# KiCad board keyboard.kicad_pcb
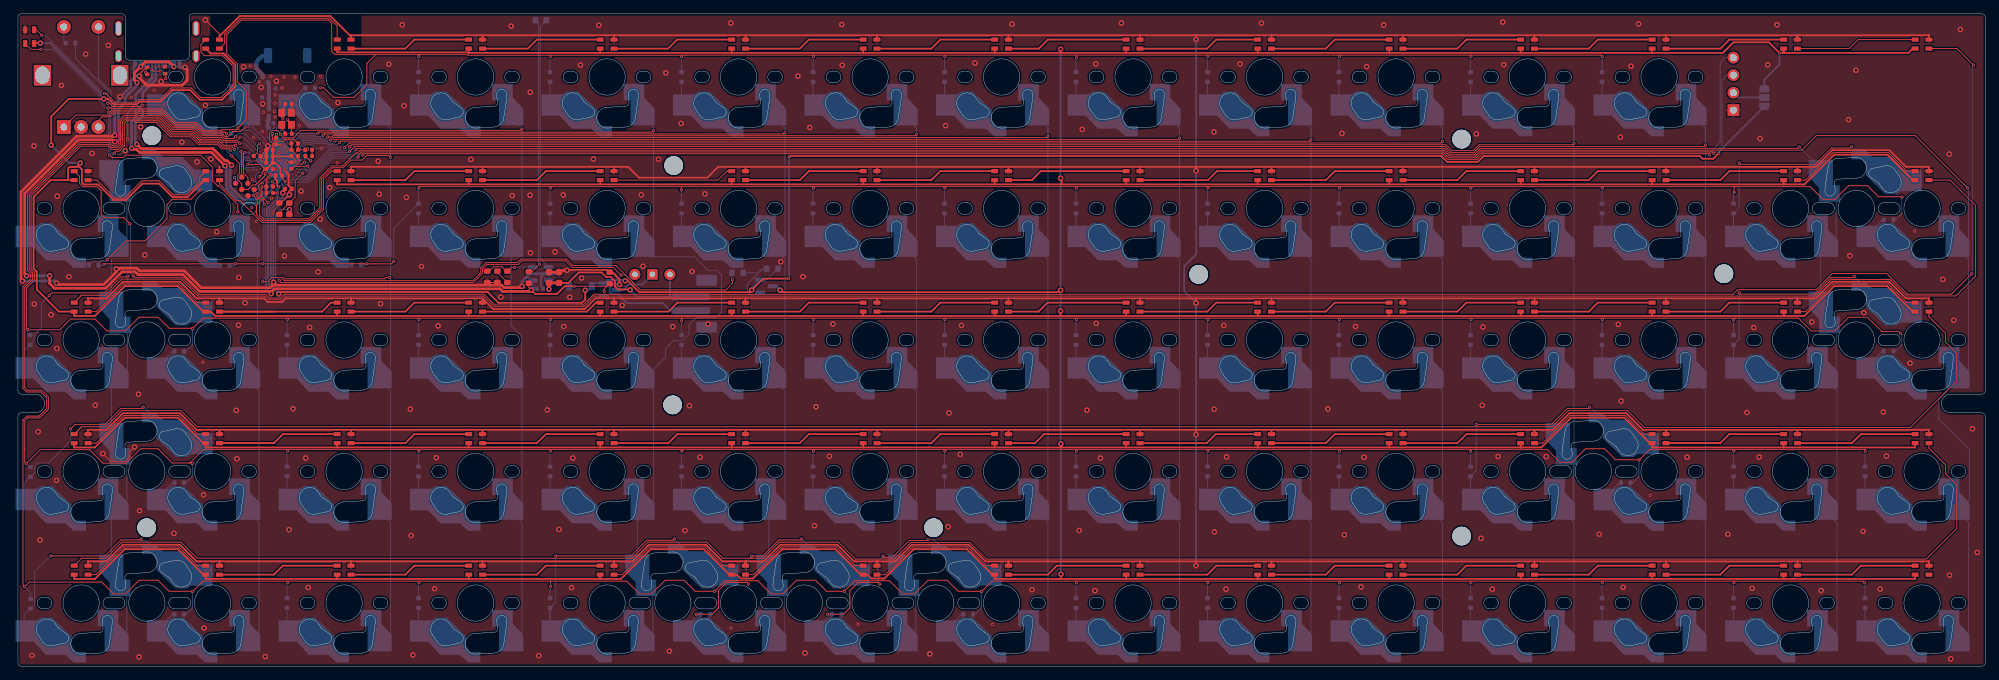
[diagram p0: board, top side]
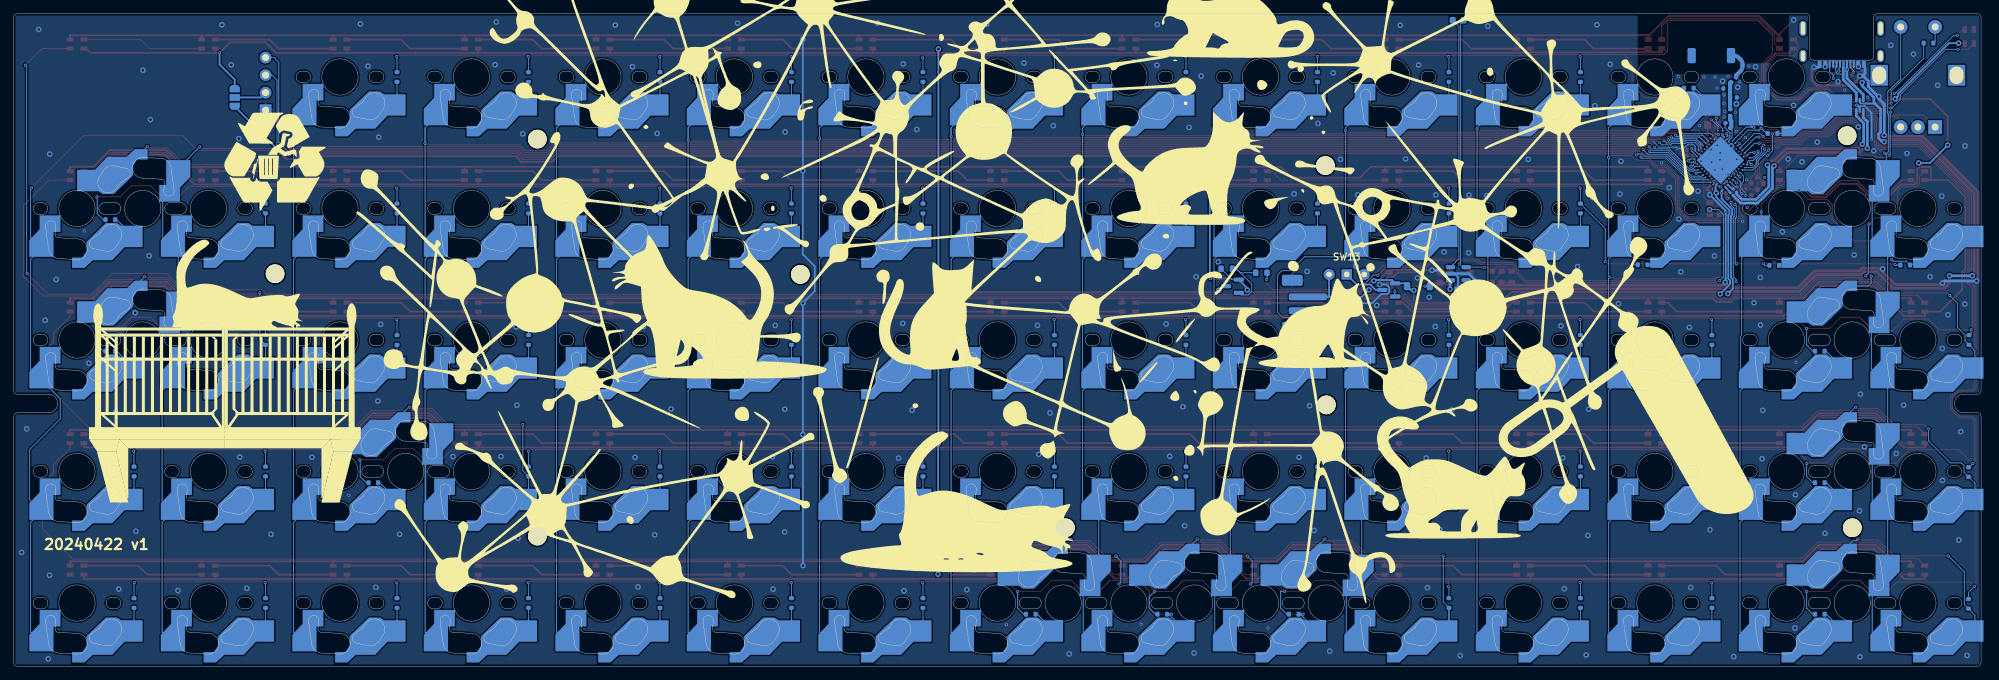
[diagram p1: board, bottom side, seen from below]

Outline 285 x 94.5 mm; copper layers: Top, Bottom. Coordinates in mm from the lower left corner of the outline.
Stack: Top 0.035mm / dielectric 1.11mm FR4 er 4.5 / Bottom 0.035mm

## Placement (name value [footprint] x y rotation side)
AE0  Antenna  [Johanson_2450AT43F0100]  39.07 88.45 0 bottom
C0  100nF  [C_0603_1608Metric]  78.39 56.3 90 top
C1  10uF  [C_0603_1608Metric]  76.93 56.3 90 top
C4  1pF  [C_0402_1005Metric]  36.68 78.33 45 bottom
C5  DNP  [C_0402_1005Metric]  36.85 83.67 0 bottom
C6  DNP  [C_0402_1005Metric]  35.86 82.38 180 bottom
C7  12pF  [C_0402_1005Metric]  39.19 77.13 180 top
C8  12pF  [C_0402_1005Metric]  39.19 81.45 0 top
C11  4.7uF  [C_0402_1005Metric]  36.45 74.77 180 top
C12  100nF  [C_0402_1005Metric]  36.45 72.93 180 top
C13  100nF  [C_0402_1005Metric]  36.44 72.01 0 top
C14  100nF  [C_0402_1005Metric]  40.1 73.89 0 top
C15  1uF  [C_0402_1005Metric]  36.45 73.85 180 top
C16  47nF  [C_0402_1005Metric]  40.1 74.81 180 top
C17  1uF  [C_0402_1005Metric]  40.1 75.73 180 top
C18  4.7uF  [C_0402_1005Metric]  36.47 69.48 0 top
C19  820pF  [C_0402_1005Metric]  34.63 73.89 180 top
C20  100pF  [C_0402_1005Metric]  37.38 76.04 90 top
C21  100nF  [C_0402_1005Metric]  39.63 72.52 270 top
C22  4.7uF  [C_0402_1005Metric]  36.47 68.56 0 top
C23  4.7uF  [C_0402_1005Metric]  39.19 69.14 180 top
C24  1uF  [C_0402_1005Metric]  75.6 54.69 0 bottom
D0  1N4148WT  [D_SOD-523]  7.62 90.26 180 bottom
D1  1N4148WT  [D_SOD-523]  30.2 77.17 180 bottom
D2  1N4148WT  [D_SOD-523]  42.34 83.74 180 bottom
D3  1N4148WT  [D_SOD-523]  58.04 85.35 270 bottom
D4  1N4148WT  [D_SOD-523]  77.09 85.35 270 bottom
D5  1N4148WT  [D_SOD-523]  96.14 85.35 270 bottom
D6  1N4148WT  [D_SOD-523]  115.19 85.35 270 bottom
D7  1N4148WT  [D_SOD-523]  134.24 85.35 270 bottom
D8  1N4148WT  [D_SOD-523]  153.29 85.35 270 bottom
D9  1N4148WT  [D_SOD-523]  172.34 85.35 270 bottom
D10  1N4148WT  [D_SOD-523]  191.39 85.35 270 bottom
D11  1N4148WT  [D_SOD-523]  210.44 85.35 270 bottom
D12  1N4148WT  [D_SOD-523]  229.49 85.35 270 bottom
D15  1N4148WT  [D_SOD-523]  10.99 58.11 180 bottom
D16  1N4148WT  [D_SOD-523]  29.96 58.05 180 bottom
D17  1N4148WT  [D_SOD-523]  49.03 58.15 180 bottom
D18  1N4148WT  [D_SOD-523]  58.04 66.3 270 bottom
D19  1N4148WT  [D_SOD-523]  77.09 66.3 270 bottom
D20  1N4148WT  [D_SOD-523]  96.14 66.3 270 bottom
D21  1N4148WT  [D_SOD-523]  115.19 66.3 270 bottom
D22  1N4148WT  [D_SOD-523]  134.24 66.3 270 bottom
D23  1N4148WT  [D_SOD-523]  153.29 66.3 270 bottom
D24  1N4148WT  [D_SOD-523]  172.34 66.3 270 bottom
D25  1N4148WT  [D_SOD-523]  191.39 66.3 270 bottom
D26  1N4148WT  [D_SOD-523]  210.44 66.3 270 bottom
D27  1N4148WT  [D_SOD-523]  229.49 66.3 270 bottom
D28  1N4148WT  [D_SOD-523]  248.54 66.3 270 bottom
D29  1N4148WT  [D_SOD-523]  271.02 64.68 180 bottom
D30  1N4148WT  [D_SOD-523]  1.75 47.25 270 bottom
D31  1N4148WT  [D_SOD-523]  23.37 45.63 180 bottom
D32  1N4148WT  [D_SOD-523]  38.99 47.25 270 bottom
D33  1N4148WT  [D_SOD-523]  58.04 47.25 270 bottom
D34  1N4148WT  [D_SOD-523]  77.09 47.25 270 bottom
D35  1N4148WT  [D_SOD-523]  96.14 47.25 270 bottom
D36  1N4148WT  [D_SOD-523]  115.19 47.25 270 bottom
D37  1N4148WT  [D_SOD-523]  134.24 47.25 270 bottom
D38  1N4148WT  [D_SOD-523]  153.29 47.25 270 bottom
D39  1N4148WT  [D_SOD-523]  172.34 47.25 270 bottom
D40  1N4148WT  [D_SOD-523]  191.39 47.25 270 bottom
D41  1N4148WT  [D_SOD-523]  210.44 47.25 270 bottom
D42  1N4148WT  [D_SOD-523]  229.49 47.25 270 bottom
D43  1N4148WT  [D_SOD-523]  248.54 47.25 270 bottom
D44  1N4148WT  [D_SOD-523]  271.02 45.63 180 bottom
D45  1N4148WT  [D_SOD-523]  1.81 28.12 270 bottom
D46  1N4148WT  [D_SOD-523]  23.37 26.58 180 bottom
D47  1N4148WT  [D_SOD-523]  38.99 28.2 270 bottom
D48  1N4148WT  [D_SOD-523]  58.04 28.2 270 bottom
D49  1N4148WT  [D_SOD-523]  77.09 28.2 270 bottom
D50  1N4148WT  [D_SOD-523]  96.14 28.2 270 bottom
D51  1N4148WT  [D_SOD-523]  115.19 28.2 270 bottom
D52  1N4148WT  [D_SOD-523]  134.24 28.2 270 bottom
D53  1N4148WT  [D_SOD-523]  153.29 28.2 270 bottom
D54  1N4148WT  [D_SOD-523]  172.34 28.2 270 bottom
D55  1N4148WT  [D_SOD-523]  191.39 28.2 270 bottom
D56  1N4148WT  [D_SOD-523]  210.44 28.2 270 bottom
D57  1N4148WT  [D_SOD-523]  232.92 26.58 180 bottom
D58  1N4148WT  [D_SOD-523]  248.54 28.2 270 bottom
D59  1N4148WT  [D_SOD-523]  267.59 28.2 270 bottom
D60  1N4148WT  [D_SOD-523]  1.82 9.03 270 bottom
D61  1N4148WT  [D_SOD-523]  23.37 7.53 180 bottom
D62  1N4148WT  [D_SOD-523]  38.99 9.15 270 bottom
D63  1N4148WT  [D_SOD-523]  58.04 9.15 270 bottom
D64  1N4148WT  [D_SOD-523]  77.09 9.15 270 bottom
D65  1N4148WT  [D_SOD-523]  99.57 7.53 180 bottom
D66  1N4148WT  [D_SOD-523]  118.62 7.53 180 bottom
D67  1N4148WT  [D_SOD-523]  137.67 7.53 180 bottom
D68  1N4148WT  [D_SOD-523]  153.29 9.15 270 bottom
D69  1N4148WT  [D_SOD-523]  172.34 9.15 270 bottom
D70  1N4148WT  [D_SOD-523]  191.39 9.15 270 bottom
D71  1N4148WT  [D_SOD-523]  210.44 9.15 270 bottom
D72  1N4148WT  [D_SOD-523]  229.49 9.15 270 bottom
D73  1N4148WT  [D_SOD-523]  248.54 9.15 270 bottom
D74  1N4148WT  [D_SOD-523]  267.59 9.15 270 bottom
D75  CHRG  [LED_0603_1608Metric]  75.76 93.57 180 bottom
D76  BAT46  [D_SOD-123]  81.5 55.05 180 bottom
H0  MountingHole  [MountingHole_2.7mm_M2.5_ISO7380]  19.4 76.85 0 top
H1  MountingHole  [MountingHole_2.7mm_M2.5_ISO7380]  132.65 20.05 0 top
H2  MountingHole  [MountingHole_2.7mm_M2.5_ISO7380]  209.15 76.35 0 top
H3  MountingHole  [MountingHole_2.7mm_M2.5_ISO7380]  18.65 20.05 0 top
H4  MountingHole  [MountingHole_2.7mm_M2.5_ISO7380]  171.05 56.75 0 top
H5  MountingHole  [MountingHole_2.7mm_M2.5_ISO7380]  94.99 72.52 0 top
H7  MountingHole  [MountingHole_2.7mm_M2.5_ISO7380]  247.15 56.85 0 top
H8  MountingHole  [MountingHole_2.7mm_M2.5_ISO7380]  94.85 37.85 0 top
H9  MountingHole  [MountingHole_2.7mm_M2.5_ISO7380]  209.15 18.85 0 top
J0  USB_C_Receptacle_USB2.0_16P  [Molex_USBC_2169900001]  20.18 92.39 0 bottom
J1  Conn_ARM_SWD_TagConnect_TC2030-NL  [Tag-Connect_TC2030-IDC-NL_2x03_P1.27mm_Vertical_NoHoles]  32.87 69.5 315 top
J2  Conn_01x02  [JST_PH_B2B-PH-SM4-TB_1x02-1MP_P2.00mm_Vertical]  98.03 52.5 90 bottom
J3  Conn_01x04  [SSD1306-0.91-OLED-4pin-128x32]  266.32 85.35 180 top
JP0  SolderJumper_3_Open  [SolderJumper-3_P1.3mm_Open_RoundedPad1.0x1.5mm_NumberLabels]  253 82.38 270 bottom
L0  10uH  [C_0402_1005Metric]  42.13 73.89 0 top
L1  2.2nH  [C_0402_1005Metric]  36.34 80.2 90 bottom
L2  10uH  [C_0402_1005Metric]  37.79 71.09 180 top
L3  15nH  [C_0402_1005Metric]  42.13 74.81 180 top
LED0  SK6805  [LED_SK6805_PLCC4_2.4x2.7mm_P1.3mm]  1.7 91.19 270 top
LED1  SK6805  [LED_SK6805_PLCC4_2.4x2.7mm_P1.3mm]  28.2 90.11 180 top
LED2  SK6805  [LED_SK6805_PLCC4_2.4x2.7mm_P1.3mm]  47.25 90.11 180 top
LED3  SK6805  [LED_SK6805_PLCC4_2.4x2.7mm_P1.3mm]  66.3 90.11 180 top
LED4  SK6805  [LED_SK6805_PLCC4_2.4x2.7mm_P1.3mm]  85.35 90.11 180 top
LED5  SK6805  [LED_SK6805_PLCC4_2.4x2.7mm_P1.3mm]  104.4 90.11 180 top
LED6  SK6805  [LED_SK6805_PLCC4_2.4x2.7mm_P1.3mm]  123.45 90.11 180 top
LED7  SK6805  [LED_SK6805_PLCC4_2.4x2.7mm_P1.3mm]  142.5 90.11 180 top
LED8  SK6805  [LED_SK6805_PLCC4_2.4x2.7mm_P1.3mm]  161.55 90.11 180 top
LED9  SK6805  [LED_SK6805_PLCC4_2.4x2.7mm_P1.3mm]  180.6 90.11 180 top
LED10  SK6805  [LED_SK6805_PLCC4_2.4x2.7mm_P1.3mm]  199.65 90.11 180 top
LED11  SK6805  [LED_SK6805_PLCC4_2.4x2.7mm_P1.3mm]  218.7 90.11 180 top
LED12  SK6805  [LED_SK6805_PLCC4_2.4x2.7mm_P1.3mm]  237.75 90.11 180 top
LED13  SK6805  [LED_SK6805_PLCC4_2.4x2.7mm_P1.3mm]  256.8 90.11 180 top
LED14  SK6805  [LED_SK6805_PLCC4_2.4x2.7mm_P1.3mm]  275.85 90.11 180 top
LED15  SK6805  [LED_SK6805_PLCC4_2.4x2.7mm_P1.3mm]  9.15 71.06 180 top
LED16  SK6805  [LED_SK6805_PLCC4_2.4x2.7mm_P1.3mm]  28.2 71.06 180 top
LED17  SK6805  [LED_SK6805_PLCC4_2.4x2.7mm_P1.3mm]  47.25 71.06 180 top
LED18  SK6805  [LED_SK6805_PLCC4_2.4x2.7mm_P1.3mm]  66.3 71.06 180 top
LED19  SK6805  [LED_SK6805_PLCC4_2.4x2.7mm_P1.3mm]  85.35 71.06 180 top
LED20  SK6805  [LED_SK6805_PLCC4_2.4x2.7mm_P1.3mm]  104.4 71.06 180 top
LED21  SK6805  [LED_SK6805_PLCC4_2.4x2.7mm_P1.3mm]  123.45 71.06 180 top
LED22  SK6805  [LED_SK6805_PLCC4_2.4x2.7mm_P1.3mm]  142.5 71.06 180 top
LED23  SK6805  [LED_SK6805_PLCC4_2.4x2.7mm_P1.3mm]  161.55 71.06 180 top
LED24  SK6805  [LED_SK6805_PLCC4_2.4x2.7mm_P1.3mm]  180.6 71.06 180 top
LED25  SK6805  [LED_SK6805_PLCC4_2.4x2.7mm_P1.3mm]  199.65 71.06 180 top
LED26  SK6805  [LED_SK6805_PLCC4_2.4x2.7mm_P1.3mm]  218.7 71.06 180 top
LED27  SK6805  [LED_SK6805_PLCC4_2.4x2.7mm_P1.3mm]  237.75 71.06 180 top
LED28  SK6805  [LED_SK6805_PLCC4_2.4x2.7mm_P1.3mm]  256.8 71.06 180 top
LED29  SK6805  [LED_SK6805_PLCC4_2.4x2.7mm_P1.3mm]  275.85 71.06 180 top
LED30  SK6805  [LED_SK6805_PLCC4_2.4x2.7mm_P1.3mm]  9.15 52.01 180 top
LED31  SK6805  [LED_SK6805_PLCC4_2.4x2.7mm_P1.3mm]  28.2 52.01 180 top
LED32  SK6805  [LED_SK6805_PLCC4_2.4x2.7mm_P1.3mm]  47.25 52.01 180 top
LED33  SK6805  [LED_SK6805_PLCC4_2.4x2.7mm_P1.3mm]  66.3 52.01 180 top
LED34  SK6805  [LED_SK6805_PLCC4_2.4x2.7mm_P1.3mm]  85.35 52.01 180 top
LED35  SK6805  [LED_SK6805_PLCC4_2.4x2.7mm_P1.3mm]  104.4 52.01 180 top
LED36  SK6805  [LED_SK6805_PLCC4_2.4x2.7mm_P1.3mm]  123.45 52.01 180 top
LED37  SK6805  [LED_SK6805_PLCC4_2.4x2.7mm_P1.3mm]  142.5 52.01 180 top
LED38  SK6805  [LED_SK6805_PLCC4_2.4x2.7mm_P1.3mm]  161.55 52.01 180 top
LED39  SK6805  [LED_SK6805_PLCC4_2.4x2.7mm_P1.3mm]  180.6 52.01 180 top
LED40  SK6805  [LED_SK6805_PLCC4_2.4x2.7mm_P1.3mm]  199.65 52.01 180 top
LED41  SK6805  [LED_SK6805_PLCC4_2.4x2.7mm_P1.3mm]  218.7 52.01 180 top
LED42  SK6805  [LED_SK6805_PLCC4_2.4x2.7mm_P1.3mm]  237.75 52.01 180 top
LED43  SK6805  [LED_SK6805_PLCC4_2.4x2.7mm_P1.3mm]  256.8 52.01 180 top
LED44  SK6805  [LED_SK6805_PLCC4_2.4x2.7mm_P1.3mm]  275.85 52.01 180 top
LED45  SK6805  [LED_SK6805_PLCC4_2.4x2.7mm_P1.3mm]  9.15 32.96 180 top
LED46  SK6805  [LED_SK6805_PLCC4_2.4x2.7mm_P1.3mm]  28.2 32.96 180 top
LED47  SK6805  [LED_SK6805_PLCC4_2.4x2.7mm_P1.3mm]  47.25 32.96 180 top
LED48  SK6805  [LED_SK6805_PLCC4_2.4x2.7mm_P1.3mm]  66.3 32.96 180 top
LED49  SK6805  [LED_SK6805_PLCC4_2.4x2.7mm_P1.3mm]  85.35 32.96 180 top
LED50  SK6805  [LED_SK6805_PLCC4_2.4x2.7mm_P1.3mm]  104.4 32.96 180 top
LED51  SK6805  [LED_SK6805_PLCC4_2.4x2.7mm_P1.3mm]  123.45 32.96 180 top
LED52  SK6805  [LED_SK6805_PLCC4_2.4x2.7mm_P1.3mm]  142.5 32.96 180 top
LED53  SK6805  [LED_SK6805_PLCC4_2.4x2.7mm_P1.3mm]  161.55 32.96 180 top
LED54  SK6805  [LED_SK6805_PLCC4_2.4x2.7mm_P1.3mm]  180.6 32.96 180 top
LED55  SK6805  [LED_SK6805_PLCC4_2.4x2.7mm_P1.3mm]  199.65 32.96 180 top
LED56  SK6805  [LED_SK6805_PLCC4_2.4x2.7mm_P1.3mm]  218.7 32.96 180 top
LED57  SK6805  [LED_SK6805_PLCC4_2.4x2.7mm_P1.3mm]  237.75 32.96 180 top
LED58  SK6805  [LED_SK6805_PLCC4_2.4x2.7mm_P1.3mm]  256.8 32.96 180 top
LED59  SK6805  [LED_SK6805_PLCC4_2.4x2.7mm_P1.3mm]  275.85 32.96 180 top
LED60  SK6805  [LED_SK6805_PLCC4_2.4x2.7mm_P1.3mm]  9.15 13.91 180 top
LED61  SK6805  [LED_SK6805_PLCC4_2.4x2.7mm_P1.3mm]  28.2 13.91 180 top
LED62  SK6805  [LED_SK6805_PLCC4_2.4x2.7mm_P1.3mm]  47.25 13.91 180 top
LED63  SK6805  [LED_SK6805_PLCC4_2.4x2.7mm_P1.3mm]  66.3 13.91 180 top
LED64  SK6805  [LED_SK6805_PLCC4_2.4x2.7mm_P1.3mm]  85.35 13.91 180 top
LED65  SK6805  [LED_SK6805_PLCC4_2.4x2.7mm_P1.3mm]  104.4 13.91 180 top
LED66  SK6805  [LED_SK6805_PLCC4_2.4x2.7mm_P1.3mm]  123.45 13.91 180 top
LED67  SK6805  [LED_SK6805_PLCC4_2.4x2.7mm_P1.3mm]  142.5 13.91 180 top
LED68  SK6805  [LED_SK6805_PLCC4_2.4x2.7mm_P1.3mm]  161.55 13.91 180 top
LED69  SK6805  [LED_SK6805_PLCC4_2.4x2.7mm_P1.3mm]  180.6 13.91 180 top
LED70  SK6805  [LED_SK6805_PLCC4_2.4x2.7mm_P1.3mm]  199.65 13.91 180 top
LED71  SK6805  [LED_SK6805_PLCC4_2.4x2.7mm_P1.3mm]  218.7 13.91 180 top
LED72  SK6805  [LED_SK6805_PLCC4_2.4x2.7mm_P1.3mm]  237.75 13.91 180 top
LED73  SK6805  [LED_SK6805_PLCC4_2.4x2.7mm_P1.3mm]  256.8 13.91 180 top
LED74  SK6805  [LED_SK6805_PLCC4_2.4x2.7mm_P1.3mm]  275.85 13.91 180 top
Q0  Q_PMOS_GSD  [SOT-23]  85.79 54.5 0 bottom
Q1  Q_PMOS_GSD  [SOT-23]  108.46 55.04 0 bottom
R0  1k  [R_0603_1608Metric]  74.01 56.3 270 top
R1  10k  [R_0603_1608Metric]  67.99 56.4 90 top
R2  1k  [R_0603_1608Metric]  69.45 56.4 90 top
R3  1k  [R_0603_1608Metric]  70.91 56.4 90 top
R4  5.1k  [R_0402_1005Metric]  18.72 86.24 270 top
R5  5.1k  [R_0402_1005Metric]  21.32 86.34 270 top
R6  22R  [R_0201_0603Metric]  36.13 68.39 45 bottom
R7  0R  [R_0402_1005Metric]  35.85 84.95 135 bottom
R8  22R  [R_0201_0603Metric]  35.64 68.88 45 bottom
R10  100k  [R_0603_1608Metric]  85.72 56.24 270 top
R11  100k  [R_0603_1608Metric]  109.28 57.58 0 bottom
R12  10k  [R_0603_1608Metric]  104.26 56.99 180 bottom
R13  1M  [R_0603_1608Metric]  39.31 66.27 90 top
R14  1M  [R_0603_1608Metric]  37.85 66.27 90 top
SW0  RotaryEncoder_Switch  [RotaryEncoder_Alps_EC12E-Switch_Vertical_H20mm]  6.65 78.1 90 top
SW1  SW_Push  [SW_mechanical_many_v2_MovedCuts]  28.2 85.35 0 top
SW2  SW_Push  [SW_mechanical_many_v2_MovedCuts]  47.25 85.35 0 top
SW3  SW_Push  [SW_mechanical_many_v2_MovedCuts]  66.3 85.35 0 top
SW4  SW_Push  [SW_mechanical_many_v2_MovedCuts]  85.35 85.35 0 top
SW5  SW_Push  [SW_mechanical_many_v2_MovedCuts]  104.4 85.35 0 top
SW6  SW_Push  [SW_mechanical_many_v2_MovedCuts]  123.45 85.35 0 top
SW7  SW_Push  [SW_mechanical_many_v2_MovedCuts]  142.5 85.35 0 top
SW8  SW_Push  [SW_mechanical_many_v2_MovedCuts]  161.55 85.35 0 top
SW9  SW_Push  [SW_mechanical_many_v2_MovedCuts]  180.6 85.35 0 top
SW10  SW_Push  [SW_mechanical_many_v2_MovedCuts]  199.65 85.35 0 top
SW11  SW_Push  [SW_mechanical_many_v2_MovedCuts]  218.7 85.35 0 top
SW12  SW_Push  [SW_mechanical_many_v2_MovedCuts]  237.75 85.35 0 top
SW13  SW_Push_SPDT  [SW_Slide-03_Wuerth-WS-SLTV_10x2.5x6.4_P2.54mm]  91.91 56.75 180 bottom
SW15  SW_Push  [SW_mechanical_many_v2_MovedCuts]  9.15 66.3 0 top  (not fitted)
SW16  SW_Push  [SW_mechanical_many_v2_MovedCuts]  28.2 66.3 0 top  (not fitted)
SW17  SW_Push  [SW_mechanical_many_v2_MovedCuts]  47.25 66.3 0 top
SW18  SW_Push  [SW_mechanical_many_v2_MovedCuts]  66.3 66.3 0 top
SW19  SW_Push  [SW_mechanical_many_v2_MovedCuts]  85.35 66.3 0 top
SW20  SW_Push  [SW_mechanical_many_v2_MovedCuts]  104.4 66.3 0 top
SW21  SW_Push  [SW_mechanical_many_v2_MovedCuts]  123.45 66.3 0 top
SW22  SW_Push  [SW_mechanical_many_v2_MovedCuts]  142.5 66.3 0 top
SW23  SW_Push  [SW_mechanical_many_v2_MovedCuts]  161.55 66.3 0 top
SW24  SW_Push  [SW_mechanical_many_v2_MovedCuts]  180.6 66.3 0 top
SW25  SW_Push  [SW_mechanical_many_v2_MovedCuts]  199.65 66.3 0 top
SW26  SW_Push  [SW_mechanical_many_v2_MovedCuts]  218.7 66.3 0 top
SW27  SW_Push  [SW_mechanical_many_v2_MovedCuts]  237.75 66.3 0 top
SW28  SW_Push  [SW_mechanical_many_v2_MovedCuts]  256.8 66.3 0 top  (not fitted)
SW29  SW_Push  [SW_mechanical_many_v2_MovedCuts]  275.85 66.3 0 top  (not fitted)
SW30  SW_Push  [SW_mechanical_many_v2_MovedCuts]  9.15 47.25 0 top  (not fitted)
SW31  SW_Push  [SW_mechanical_many_v2_MovedCuts]  28.2 47.25 0 top  (not fitted)
SW32  SW_Push  [SW_mechanical_many_v2_MovedCuts]  47.25 47.25 0 top
SW33  SW_Push  [SW_mechanical_many_v2_MovedCuts]  66.3 47.25 0 top
SW34  SW_Push  [SW_mechanical_many_v2_MovedCuts]  85.35 47.25 0 top
SW35  SW_Push  [SW_mechanical_many_v2_MovedCuts]  104.4 47.25 0 top
SW36  SW_Push  [SW_mechanical_many_v2_MovedCuts]  123.45 47.25 0 top
SW37  SW_Push  [SW_mechanical_many_v2_MovedCuts]  142.5 47.25 0 top
SW38  SW_Push  [SW_mechanical_many_v2_MovedCuts]  161.55 47.25 0 top
SW39  SW_Push  [SW_mechanical_many_v2_MovedCuts]  180.6 47.25 0 top
SW40  SW_Push  [SW_mechanical_many_v2_MovedCuts]  199.65 47.25 0 top
SW41  SW_Push  [SW_mechanical_many_v2_MovedCuts]  218.7 47.25 0 top
SW42  SW_Push  [SW_mechanical_many_v2_MovedCuts]  237.75 47.25 0 top
SW43  SW_Push  [SW_mechanical_many_v2_MovedCuts]  256.8 47.25 0 top  (not fitted)
SW44  SW_Push  [SW_mechanical_many_v2_MovedCuts]  275.85 47.25 0 top  (not fitted)
SW45  SW_Push  [SW_mechanical_many_v2_MovedCuts]  9.15 28.2 0 top  (not fitted)
SW46  SW_Push  [SW_mechanical_many_v2_MovedCuts]  28.2 28.2 0 top  (not fitted)
SW47  SW_Push  [SW_mechanical_many_v2_MovedCuts]  47.25 28.2 0 top
SW48  SW_Push  [SW_mechanical_many_v2_MovedCuts]  66.3 28.2 0 top
SW49  SW_Push  [SW_mechanical_many_v2_MovedCuts]  85.35 28.2 0 top
SW50  SW_Push  [SW_mechanical_many_v2_MovedCuts]  104.4 28.2 0 top
SW51  SW_Push  [SW_mechanical_many_v2_MovedCuts]  123.45 28.2 0 top
SW52  SW_Push  [SW_mechanical_many_v2_MovedCuts]  142.5 28.2 0 top
SW53  SW_Push  [SW_mechanical_many_v2_MovedCuts]  161.55 28.2 0 top
SW54  SW_Push  [SW_mechanical_many_v2_MovedCuts]  180.6 28.2 0 top
SW55  SW_Push  [SW_mechanical_many_v2_MovedCuts]  199.65 28.2 0 top
SW56  SW_Push  [SW_mechanical_many_v2_MovedCuts]  218.7 28.2 0 top
SW57  SW_Push  [SW_mechanical_many_v2_MovedCuts]  237.75 28.2 0 top
SW58  SW_Push  [SW_mechanical_many_v2_MovedCuts]  256.8 28.2 0 top
SW59  SW_Push  [SW_mechanical_many_v2_MovedCuts]  275.85 28.2 0 top
SW60  SW_Push  [SW_mechanical_many_v2_MovedCuts]  9.15 9.15 0 top
SW61  SW_Push  [SW_mechanical_many_v2_MovedCuts]  28.2 9.15 0 top
SW62  SW_Push  [SW_mechanical_many_v2_MovedCuts]  47.25 9.15 0 top
SW63  SW_Push  [SW_mechanical_many_v2_MovedCuts]  66.3 9.15 0 top
SW64  SW_Push  [SW_mechanical_many_v2_MovedCuts]  85.35 9.15 0 top  (not fitted)
SW65  SW_Push  [SW_mechanical_many_v2_MovedCuts]  104.4 9.15 0 top  (not fitted)
SW66  SW_Push  [SW_mechanical_many_v2_MovedCuts]  123.45 9.15 0 top  (not fitted)
SW67  SW_Push  [SW_mechanical_many_v2_MovedCuts]  142.5 9.15 0 top  (not fitted)
SW68  SW_Push  [SW_mechanical_many_v2_MovedCuts]  161.55 9.15 0 top
SW69  SW_Push  [SW_mechanical_many_v2_MovedCuts]  180.6 9.15 0 top
SW70  SW_Push  [SW_mechanical_many_v2_MovedCuts]  199.65 9.15 0 top
SW71  SW_Push  [SW_mechanical_many_v2_MovedCuts]  218.7 9.15 0 top
SW72  SW_Push  [SW_mechanical_many_v2_MovedCuts]  237.75 9.15 0 top
SW73  SW_Push  [SW_mechanical_many_v2_MovedCuts]  256.8 9.15 0 top
SW74  SW_Push  [SW_mechanical_many_v2_MovedCuts]  275.85 9.15 0 top
SW75  SW_Push  [SW_mechanical_many_v2_MovedCuts]  94.88 9.15 180 top
SW76  SW_Push  [SW_mechanical_many_v2_MovedCuts]  18.67 66.3 180 top
SW77  SW_Push  [SW_mechanical_many_v2_MovedCuts]  266.32 47.25 180 top
SW78  SW_Push  [SW_mechanical_many_v2_MovedCuts]  113.93 9.15 180 top  (not fitted)
SW79  SW_Push  [SW_mechanical_many_v2_MovedCuts]  18.67 28.2 180 top
SW80  SW_Push  [SW_mechanical_many_v2_MovedCuts]  132.97 9.15 180 top
SW81  SW_Push  [SW_mechanical_many_v2_MovedCuts]  228.23 28.2 180 top  (not fitted)
SW82  SW_Push  [SW_mechanical_many_v2_MovedCuts]  266.32 66.3 180 top
SW83  SW_Push  [SW_mechanical_many_v2_MovedCuts]  18.67 47.25 180 top
SW84  SW_Push  [SW_mechanical_many_v2_MovedCuts]  18.67 9.15 180 top  (not fitted)
U0  nRF52840  [Nordic_AQFN-73-1EP_7x7mm_P0.5mm]  37.77 73.29 135 bottom
U2  LTC4054ES5-4.2  [TSOT-23-5]  75.73 56.86 180 bottom
U3  USBLC6-2P6  [Texas_R-PDSO-N6_DRL-6]  17.56 81.26 90 bottom
Y0  Crystal_GND23  [Crystal_SMD_2520-4Pin_2.5x2.0mm]  38.92 79.29 90 top

## Library data of the parts
D0-D12 D15-D74 = -: Sim.Device: D; Sim.Pins: 1=K 2=A
D76 = -: Description: Diode; Sim.Device: D; Sim.Pins: 1=K 2=A
H0-H5 H7-H9 = -: Description: Mounting Hole without connection
J0 = -: Datasheet: https://www.usb.org/sites/default/files/documents/usb_type-c.zip
J1 = -: Datasheet: https://www.tag-connect.com/wp-content/uploads/bsk-pdf-manager/TC2030-CTX_1.pdf; Field5: KEEPOUT
J2 = -: Description: Generic connectable mounting pin connector, single row, 01x02, script generated (kicad-library-utils/schlib/autogen/connector/)
J3 = -: Description: Generic connector, single row, 01x04, script generated (kicad-library-utils/schlib/autogen/connector/)
JP0 = -: Description: Solder Jumper, 3-pole, open
LED0 LED2 LED3 LED6 LED9 LED10 LED12 LED15-LED17 LED19 LED20 LED30 LED36-LED39 LED43 LED45 LED49 LED50 LED56 LED57 LED59 LED61 LED65 LED67 LED69 LED70 LED73 = -: Datasheet: https://cdn-shop.adafruit.com/product-files/3484/3484_Datasheet.pdf; Field5: 1
LED1 LED4 LED5 LED7 LED8 LED11 LED13 LED14 LED18 LED21-LED29 LED31-LED35 LED40-LED42 LED44 LED46-LED48 LED51-LED55 LED58 LED60 LED62-LED64 LED66 LED68 LED71 LED72 LED74 = -: Datasheet: https://cdn-shop.adafruit.com/product-files/3484/3484_Datasheet.pdf; Field4: 1
Q0 Q1 = -: Description: P-MOSFET transistor, gate/source/drain
SW13 = -: Description: Switch, single pole double throw
U0 = -: Datasheet: http://infocenter.nordicsemi.com/topic/com.nordic.infocenter.nrf52/dita/nrf52/chips/nrf52840.html
U2 = -: Datasheet: https://www.analog.com/media/en/technical-documentation/data-sheets/405442xf.pdf
U3 = -: Datasheet: https://www.st.com/resource/en/datasheet/usblc6-2.pdf
